# Altium PCB FIT_TDC_ADC.PcbDoc (part 6 of 10)
Units mm, origin at the board's own origin, x right, y up, seen from the top; angles counter-clockwise.
Board outline 89.38 x 69 mm, 8 copper layers (Top Layer, GND1, SIGNAL2, POWER3, POWER4, SIGNAL5, GND6, Bottom Layer), stack 1.028 mm thick; 495 components, 463 nets, 2013 pads, 1239 vias.
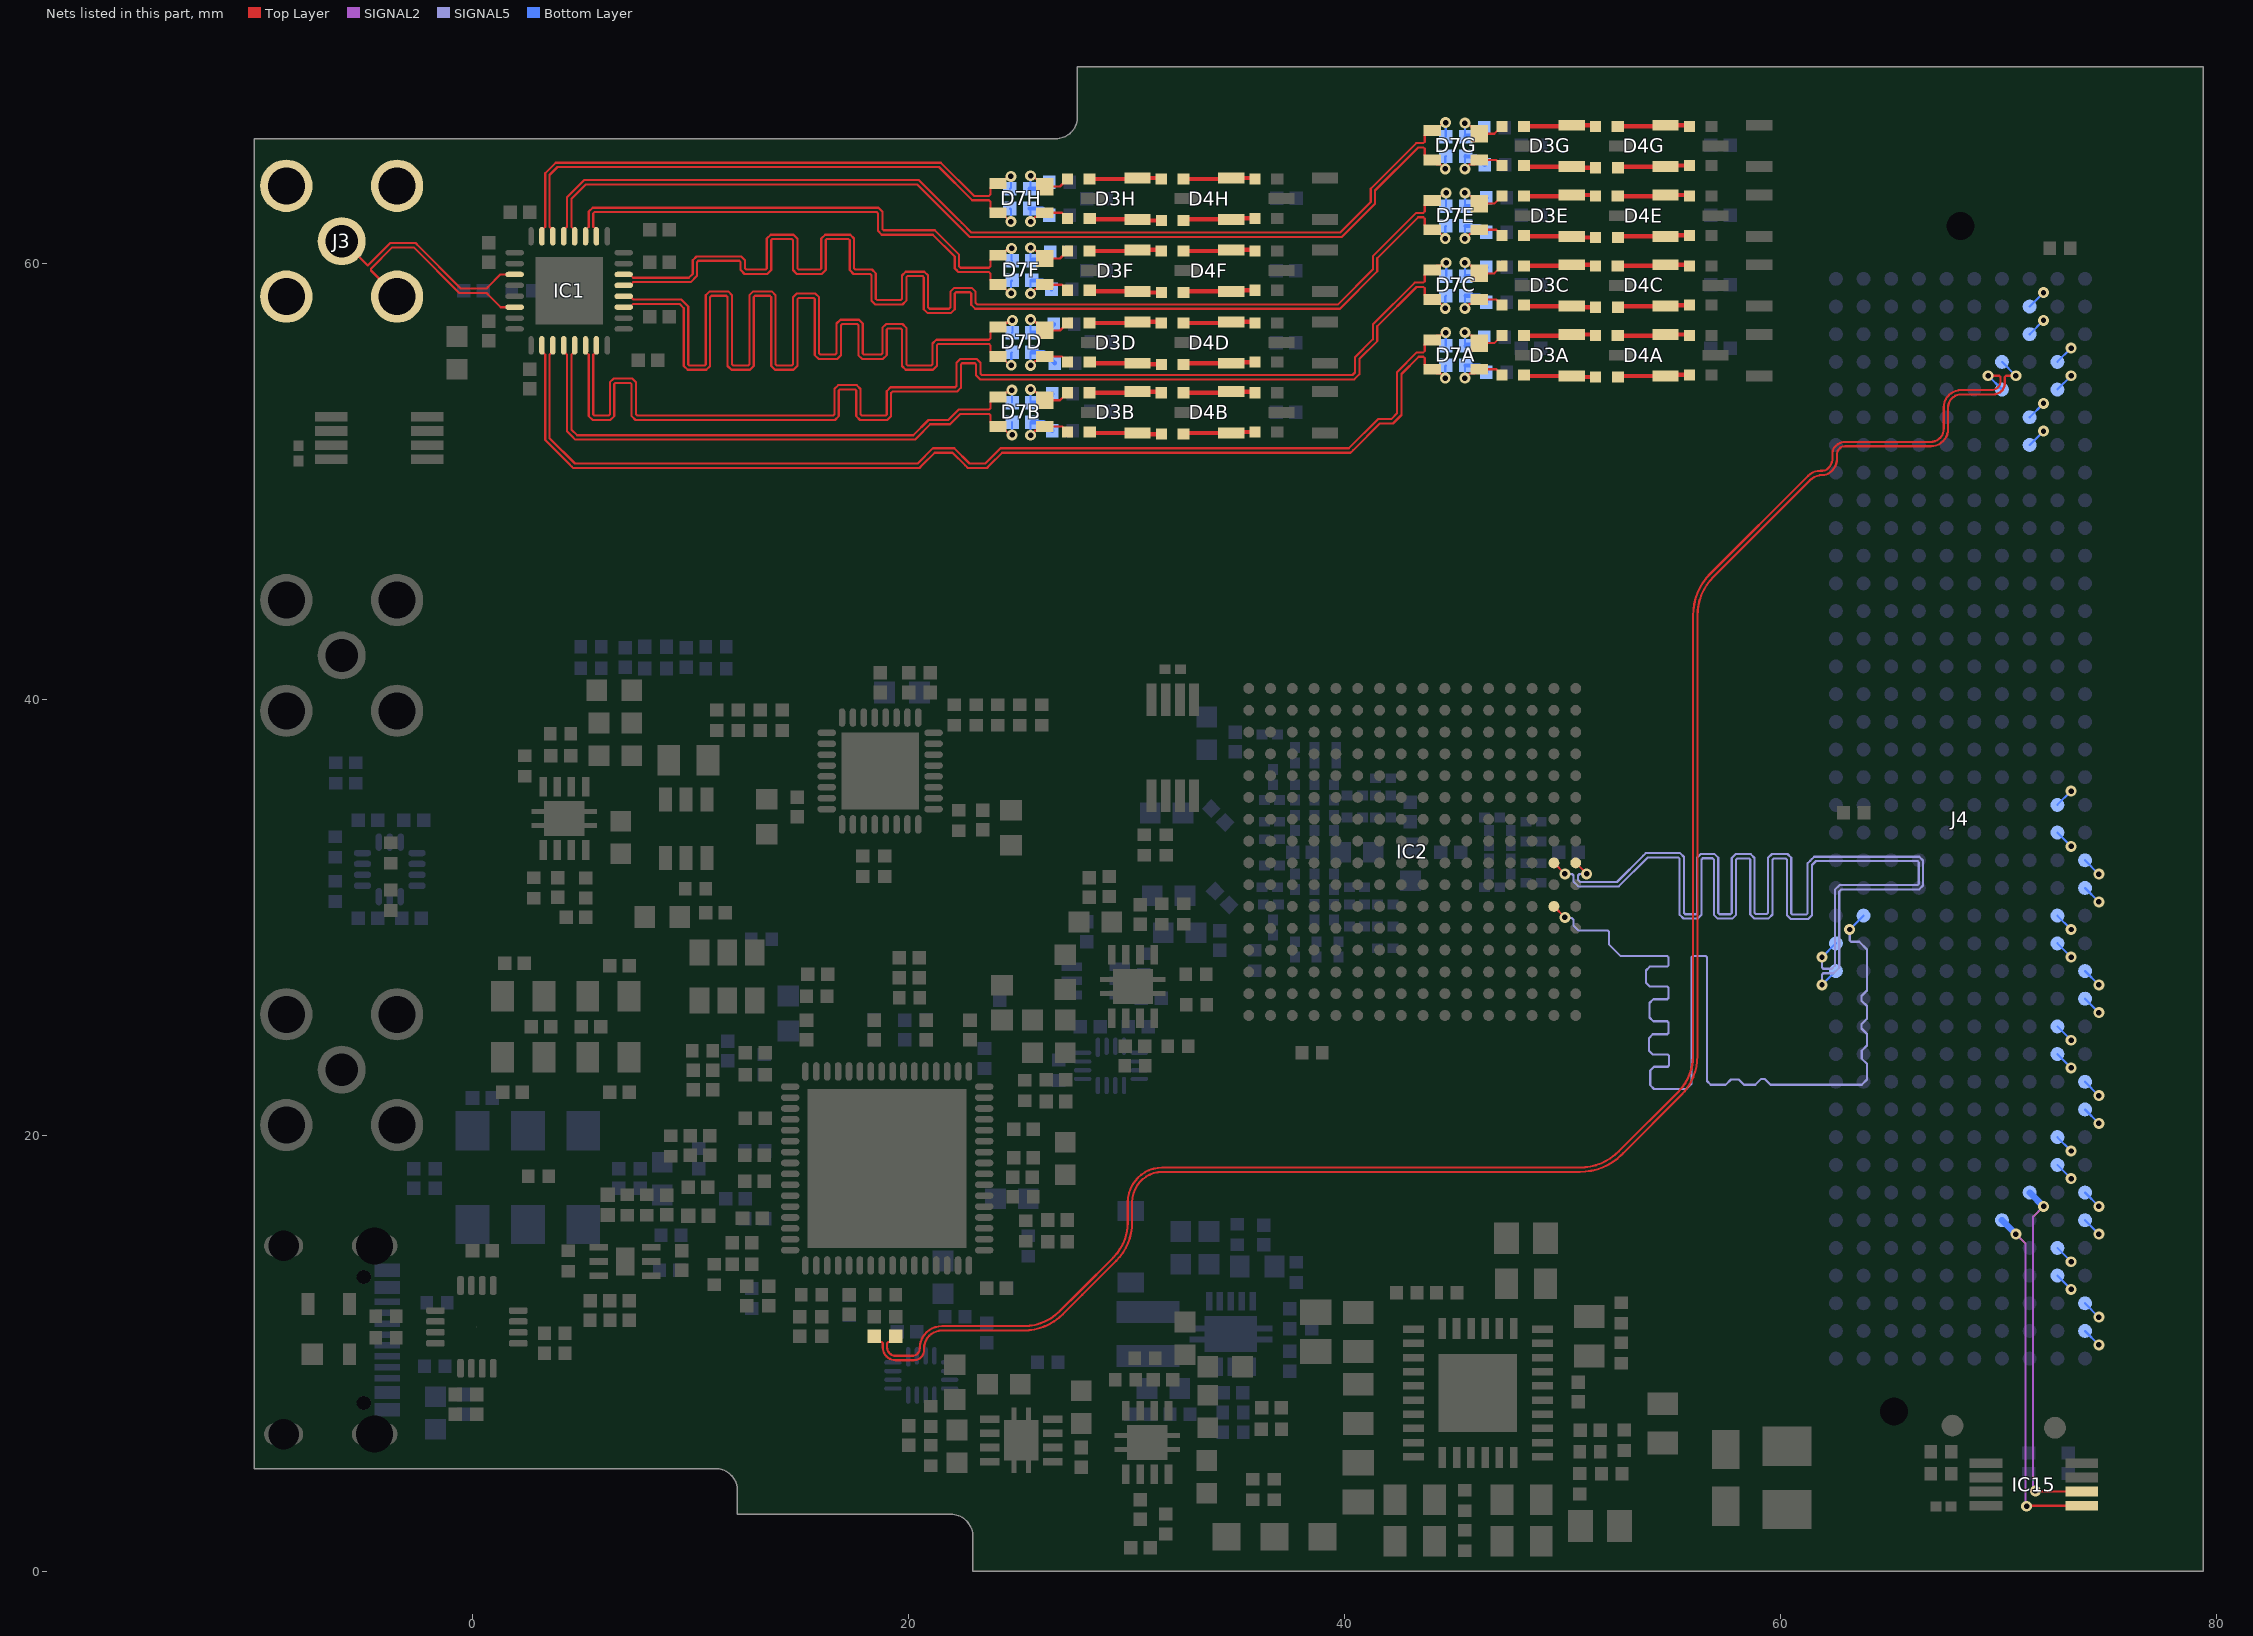
[diagram p12: the nets of this part, all layers, seen from the top]

## Via types
v1: diameter 0.5, hole 0.25, Top Layer to Bottom Layer, tented both sides, 1171 vias
v2: diameter 0.5, hole 0.25, Top Layer to Bottom Layer, tented bottom, 39 vias
v3: diameter 0.5, hole 0.25, Top Layer to Bottom Layer, 29 vias

## Nets (pads, with @x,y where several pads share a name; then routed paths per layer and width w, separated by ;. In a path a pad name is that pad's centre, name@x,y a point inside that pad or via, vN(x,y) a via of type N, cw(c..) or ccw(c..) an arc to the next point about the centre after c; other vN are vias at no path point) (continued)
DD_D11_P: IC2.L15 J4.j24 | length 49.3
  Top Layer w0.1: IC2.L15@49.604,30.485 v1(50.104,29.985)
  SIGNAL5 w0.1: v1(50.104,29.985) 50.139,29.95 50.434,29.95 50.504,29.88 50.504,29.604 50.722,29.385 52.065,29.385 52.124,29.327 52.124,28.75 52.667,28.206 54.807,28.206 54.866,28.148 54.866,27.784 54.807,27.725 54.001,27.725 53.825,27.549 53.825,26.987 54.001,26.811 54.804,26.811 54.863,26.753 54.863,26.288 54.804,26.23 54.165,26.23 53.989,26.054 53.989,25.395 54.165,25.22 54.798,25.22 54.856,25.161 54.856,24.68 54.798,24.621 54.137,24.621 53.961,24.445 53.961,23.874 54.137,23.698 54.823,23.698 54.882,23.64 54.882,23.192 54.823,23.133 54.196,23.133 54.02,22.957 54.02,22.291 54.196,22.116 55.677,22.116 55.92,22.358 55.92,28.157 55.978,28.215 56.563,28.215 56.622,28.157 56.622,22.48 56.798,22.304 57.477,22.304 57.724,22.55 58.079,22.55 58.318,22.311 58.84,22.311 59.094,22.565 59.282,22.565 59.536,22.311 63.719,22.311 63.961,22.553 63.961,23.267 63.722,23.507 63.722,23.873 63.961,24.112 63.961,24.634 63.707,24.888 63.707,25.076 63.961,25.33 63.961,25.92 63.713,26.168 63.713,26.383 63.961,26.631 63.961,28.514 63.606,28.869 63.228,28.869 63.17,28.928 v1(63.17,29.429)
  Bottom Layer w0.1: v1(63.17,29.429) J4.j24@63.805,30.064
DD_STR_N: IC2.J16 J4.k26 | length 49.6
  Top Layer w0.1: IC2.J16@50.604,32.485 51.104,31.985 v1(51.104,31.976)
  SIGNAL5 w0.1: v1(51.104,31.976) 51.1,31.972 50.774,31.972 50.704,31.902 50.704,31.709 50.805,31.608 52.493,31.608 53.701,32.816 53.818,32.933 55.392,32.933 55.568,32.758 55.568,30.189 55.627,30.13 56.113,30.13 56.171,30.189 56.171,32.721 56.347,32.897 56.964,32.897 57.139,32.721 57.139,30.185 57.198,30.126 57.7,30.126 57.759,30.185 57.759,32.709 57.935,32.885 58.63,32.885 58.806,32.709 58.806,30.197 58.865,30.138 59.368,30.138 59.427,30.197 59.427,32.717 59.602,32.893 60.315,32.893 60.49,32.717 60.49,30.169 60.549,30.11 61.182,30.11 61.24,30.169 61.24,32.467 61.358,32.585 61.424,32.651 61.541,32.768 66.359,32.768 66.535,32.592 66.535,31.445 66.359,31.269 62.791,31.269 62.691,31.169 62.691,27.677 62.44,27.426 61.958,27.426 61.9,27.367 v1(61.9,26.889)
  Bottom Layer w0.1: v1(61.9,26.889) J4.k26@62.535,27.524
DD_STR_P: IC2.J15 J4.k25 | length 49.3
  Top Layer w0.1: IC2.J15@49.604,32.485 50.104,31.985 v1(50.104,31.976)
  SIGNAL5 w0.1: v1(50.104,31.976) 50.108,31.972 50.434,31.972 50.504,31.902 50.504,31.626 50.722,31.408 52.576,31.408 53.901,32.733 55.31,32.733 55.368,32.675 55.368,30.106 55.544,29.93 56.195,29.93 56.371,30.106 56.371,32.638 56.43,32.697 56.881,32.697 56.939,32.638 56.939,30.102 57.115,29.926 57.783,29.926 57.959,30.102 57.959,32.626 58.018,32.685 58.547,32.685 58.606,32.626 58.606,30.114 58.782,29.938 59.451,29.938 59.627,30.114 59.627,32.634 59.685,32.693 60.232,32.693 60.29,32.634 60.29,30.086 60.466,29.91 61.265,29.91 61.44,30.086 61.44,32.385 61.624,32.568 66.276,32.568 66.335,32.509 66.335,31.528 66.276,31.469 62.708,31.469 62.491,31.252 62.491,27.76 62.357,27.626 61.958,27.626 61.9,27.684 v1(61.9,28.159)
  Bottom Layer w0.1: v1(61.9,28.159) J4.k25@62.535,28.794
DIN_N: IC1.6 J3.2 | length 9.9
  Top Layer w0.1: J3.2@-3.46,58.46 -4.659,59.659 -4.659,59.741 -3.683,60.717 -2.7,60.717 -0.607,58.624 0.248,58.624 0.251,58.627 0.641,58.627 0.7,58.569 0.7,58.564 1.289,57.974 IC1.6@1.935,57.974
DIN_P: IC1.3 J3.1 | length 10
  Top Layer w0.1: J3.1@-6,61 -5.917,61 -4.8,59.883 -3.766,60.917 -2.617,60.917 -2.559,60.859 -0.524,58.824 0.166,58.824 0.169,58.827 0.641,58.827 0.7,58.886 0.7,58.895 1.279,59.474 IC1.3@1.935,59.474
DL_CH_N1: C190A.1 D7A.4 IC1.10 | length 51.2
  Top Layer w0.1: IC1.10@3.185,56.224 3.185,55.941 3.335,55.791 3.335,51.882 3.452,51.765 4.4,50.817 4.559,50.659 4.617,50.6 20.5,50.6 20.617,50.717 21.2,51.3 22.017,51.3 22.6,50.717 22.717,50.6 23.6,50.6 23.717,50.717 24.3,51.3 40.277,51.3 40.394,51.417 41.616,52.639 42.222,52.639 42.608,53.025 42.608,54.908 43.4,55.7 43.616,55.7 43.675,55.641 43.675,55.325 43.875,55.125 D7A.4@44.025,55.125 44.225,54.925 44.414,54.925 v1(44.62,54.719)
  Bottom Layer w0.1: v1(44.62,54.719) 44.62,55.27 C190A.1@44.65,55.3
DL_CH_N2: C190B.1 D7B.4 IC1.12 | length 26.2
  Top Layer w0.1: IC1.12@4.185,56.224 4.185,55.941 4.335,55.791 4.335,52.282 4.452,52.165 4.6,52.017 4.717,51.9 20.3,51.9 20.417,52.017 21,52.6 21.902,52.6 22.383,53.081 23.697,53.081 23.755,53.022 23.755,52.706 23.955,52.506 D7B.4@24.105,52.506 24.255,52.506 24.645,52.116 v1(24.749,52.116)
  Bottom Layer w0.1: v1(24.749,52.116) C190B.1@24.749,52.699
DL_CH_N3: C190C.1 D7C.4 IC1.14 | length 55
  Top Layer w0.1: IC1.14@5.185,56.224 5.185,55.941 5.335,55.791 5.335,52.976 5.511,52.8 6.324,52.8 6.5,52.976 6.5,54.441 6.559,54.5 7.241,54.5 7.3,54.441 7.3,52.976 7.476,52.8 16.624,52.8 16.8,52.976 16.8,54.141 16.859,54.2 17.541,54.2 17.6,54.141 17.6,52.976 17.776,52.8 19.024,52.8 19.2,52.976 19.2,54.041 19.259,54.1 22.224,54.1 22.4,54.276 22.4,55.341 22.459,55.4 23.041,55.4 23.1,55.341 23.1,54.837 23.276,54.662 40.445,54.662 40.681,54.898 40.681,55.598 41.5,56.417 41.5,57.1 43.3,58.9 43.616,58.9 43.675,58.841 43.675,58.525 43.875,58.325 D7C.4@44.025,58.325 44.225,58.125 44.414,58.125 v1(44.62,57.919)
  Bottom Layer w0.1: v1(44.62,57.919) 44.62,58.47 C190C.1@44.65,58.5
DL_CH_N4: C190D.1 D7D.4 IC1.19 | length 47.7
  Top Layer w0.1: IC1.19@6.935,57.974 7.218,57.974 7.368,58.124 9.493,58.124 9.693,57.924 9.693,55.276 9.869,55.1 10.724,55.1 10.9,55.276 10.9,58.441 10.959,58.5 11.641,58.5 11.7,58.441 11.7,55.276 11.876,55.1 12.724,55.1 12.9,55.276 12.9,58.441 12.959,58.5 13.641,58.5 13.7,58.441 13.7,55.276 13.876,55.1 14.724,55.1 14.9,55.276 14.9,58.341 14.959,58.4 15.641,58.4 15.7,58.341 15.7,55.776 15.876,55.6 16.724,55.6 16.9,55.776 16.9,57.141 16.959,57.2 17.641,57.2 17.7,57.141 17.7,55.776 17.876,55.6 18.824,55.6 19,55.776 19,56.941 19.059,57 19.641,57 19.7,56.941 19.7,55.276 19.876,55.1 21.124,55.1 21.3,55.276 21.3,56.222 21.359,56.281 22.583,56.281 23.697,56.281 23.755,56.222 23.755,55.906 23.955,55.706 D7D.4@24.105,55.706 24.255,55.706 24.649,55.312 v1(24.713,55.312)
  Bottom Layer w0.1: v1(24.713,55.312) 24.713,55.863 C190D.1@24.75,55.9
DL_CH_N5: C190E.1 D7E.4 IC1.21 | length 53.5
  Top Layer w0.1: IC1.21@6.935,58.974 7.218,58.974 7.368,59.124 10.007,59.124 10.3,59.417 10.3,60.041 10.359,60.1 12.241,60.1 12.3,60.041 12.3,59.676 12.476,59.5 13.524,59.5 13.7,59.676 13.7,61.041 13.759,61.1 14.641,61.1 14.7,61.041 14.7,59.676 14.876,59.5 16.024,59.5 16.2,59.676 16.2,61.041 16.259,61.1 17.241,61.1 17.3,61.041 17.3,59.676 17.476,59.5 18.241,59.5 18.3,59.441 18.3,58.276 18.476,58.1 19.724,58.1 19.9,58.276 19.9,59.341 19.959,59.4 20.641,59.4 20.7,59.341 20.7,57.876 20.876,57.7 21.943,57.7 22.119,57.876 22.119,58.6 22.178,58.658 22.819,58.658 22.878,58.6 22.878,58.079 23.054,57.904 39.787,57.904 41.5,59.617 41.5,60.225 43.375,62.1 43.616,62.1 43.675,62.041 43.675,61.725 43.875,61.525 D7E.4@44.025,61.525 44.225,61.325 44.414,61.325 v1(44.62,61.119)
  Bottom Layer w0.1: v1(44.62,61.119) 44.62,61.67 C190E.1@44.65,61.7
DL_CH_N6: C190F.1 D7F.4 IC1.26 | length 23.4
  Top Layer w0.1: IC1.26@5.685,61.224 5.685,61.508 5.535,61.658 5.535,62.276 5.593,62.335 18.541,62.335 18.6,62.276 18.6,61.476 18.776,61.3 21.117,61.3 22.119,60.298 22.119,59.756 22.178,59.698 ; 22.178,59.698 22.295,59.581 23.697,59.581 23.755,59.522 23.755,59.206 23.955,59.006 D7F.4@24.105,59.006 24.255,59.006 24.647,58.614 v1(24.704,58.614)
  Bottom Layer w0.1: v1(24.704,58.614) 24.704,59.154 C190F.1@24.75,59.2
DL_CH_N7: C190G.1 D7G.4 IC1.28 | length 46.4
  Top Layer w0.1: IC1.28@4.685,61.224 4.685,61.508 4.535,61.658 4.535,62.935 5.2,63.6 20.4,63.6 22.1,61.9 22.8,61.2 39.883,61.2 41.4,62.717 41.4,63.325 43.375,65.3 43.616,65.3 43.675,65.241 43.675,64.925 43.875,64.725 D7G.4@44.025,64.725 44.225,64.525 44.414,64.525 v1(44.62,64.319)
  Bottom Layer w0.1: v1(44.62,64.319) 44.62,64.87 C190G.1@44.65,64.9
DL_CH_N8: C190H.1 D7H.4 IC1.30 | length 26
  Top Layer w0.1: IC1.30@3.685,61.224 3.685,61.508 3.535,61.658 3.535,64.035 3.9,64.4 21.398,64.4 22.917,62.881 23.395,62.881 23.697,62.881 23.755,62.822 23.755,62.506 23.955,62.306 D7H.4@24.105,62.306 24.255,62.306 24.663,61.898 v1(24.698,61.898)
  Bottom Layer w0.1: C190H.1@24.65,62.5 24.698,62.452 v1(24.698,61.898)
DL_CH_P1: C191A.1 D7A.3 IC1.11 | length 50.9
  Top Layer w0.1: IC1.11@3.685,56.224 3.685,55.941 3.535,55.791 3.535,51.965 4.7,50.8 20.417,50.8 21.117,51.5 22.1,51.5 22.8,50.8 23.517,50.8 24.217,51.5 40.194,51.5 41.533,52.839 42.139,52.839 42.408,53.108 42.408,54.991 43.317,55.9 43.616,55.9 43.675,55.959 43.675,56.275 43.875,56.475 D7A.3@44.025,56.475 44.225,56.675 44.398,56.675 44.533,56.809 v1(44.641,56.809)
  Bottom Layer w0.1: v1(44.641,56.809) 44.641,56.209 C191A.1@44.65,56.2
DL_CH_P2: C191B.1 D7B.3 IC1.13 | length 25.7
  Top Layer w0.1: IC1.13@4.685,56.224 4.685,55.941 4.535,55.791 4.535,52.365 4.8,52.1 20.217,52.1 20.917,52.8 21.819,52.8 22.3,53.281 23.697,53.281 23.755,53.339 23.755,53.656 23.955,53.856 D7B.3@24.105,53.856 ; D7B.3@24.255,53.856 24.455,54.056 24.516,54.056 24.632,54.172 v1(24.74,54.172)
  Bottom Layer w0.1: v1(24.74,54.172) 24.74,53.61 C191B.1@24.75,53.6
DL_CH_P3: C191C.1 D7C.3 IC1.15 | length 54.7
  Top Layer w0.1: IC1.15@5.685,56.224 5.685,55.941 5.535,55.791 5.535,53.059 5.593,53 6.241,53 6.3,53.059 6.3,54.524 6.476,54.7 7.324,54.7 7.5,54.524 7.5,53.059 7.559,53 16.541,53 16.6,53.059 16.6,54.224 16.776,54.4 17.624,54.4 17.8,54.224 17.8,53.059 17.859,53 18.941,53 19,53.059 19,54.124 19.176,54.3 22.141,54.3 22.2,54.359 22.2,55.424 22.376,55.6 23.124,55.6 23.3,55.424 23.3,54.92 23.359,54.862 40.362,54.862 40.481,54.981 40.481,55.681 41.3,56.5 41.3,57.183 43.217,59.1 43.616,59.1 43.675,59.159 43.675,59.475 43.875,59.675 D7C.3@44.025,59.675 44.225,59.875 44.416,59.875 44.553,60.012 v1(44.661,60.012)
  Bottom Layer w0.1: C191C.1@44.65,59.4 44.661,59.411 v1(44.661,60.012)
DL_CH_P4: C191D.1 D7D.3 IC1.20 | length 47.5
  Top Layer w0.1: IC1.20@6.935,58.474 7.218,58.474 7.368,58.324 9.576,58.324 9.893,58.007 9.893,55.359 9.951,55.3 10.641,55.3 10.7,55.359 10.7,58.524 10.876,58.7 11.724,58.7 11.9,58.524 11.9,55.359 11.959,55.3 12.641,55.3 12.7,55.359 12.7,58.524 12.876,58.7 13.724,58.7 13.9,58.524 13.9,55.359 13.959,55.3 14.641,55.3 14.7,55.359 14.7,58.424 14.876,58.6 15.724,58.6 15.9,58.424 15.9,55.859 15.959,55.8 16.641,55.8 16.7,55.859 16.7,57.224 16.876,57.4 17.724,57.4 17.9,57.224 17.9,55.859 17.959,55.8 18.741,55.8 18.8,55.859 18.8,57.024 18.976,57.2 19.724,57.2 19.9,57.024 19.9,55.359 19.959,55.3 21.041,55.3 21.1,55.359 21.1,56.305 21.276,56.481 23.697,56.481 23.755,56.539 23.755,56.856 23.955,57.056 D7D.3@24.105,57.056 ; D7D.3@24.255,57.056 24.455,57.256 24.54,57.256 24.655,57.371 v1(24.764,57.371)
  Bottom Layer w0.1: C191D.1@24.75,56.8 24.764,56.814 v1(24.764,57.371)
DL_CH_P5: C191E.1 D7E.3 IC1.22 | length 53.6
  Top Layer w0.1: IC1.22@6.935,59.474 7.218,59.474 7.368,59.324 9.924,59.324 10.1,59.5 10.1,60.124 10.276,60.3 12.324,60.3 12.5,60.124 12.5,59.759 12.559,59.7 13.441,59.7 13.5,59.759 13.5,61.124 13.676,61.3 14.724,61.3 14.9,61.124 14.9,59.759 14.959,59.7 15.941,59.7 16,59.759 16,61.124 16.176,61.3 17.324,61.3 17.5,61.124 17.5,59.759 17.559,59.7 18.324,59.7 18.5,59.524 18.5,58.359 18.559,58.3 19.641,58.3 19.7,58.359 19.7,59.424 19.876,59.6 20.724,59.6 20.9,59.424 20.9,57.959 20.959,57.9 21.86,57.9 21.919,57.959 21.919,58.683 22.095,58.858 22.902,58.858 23.078,58.683 23.078,58.162 23.137,58.104 39.704,58.104 41.3,59.7 41.3,60.308 43.292,62.3 43.616,62.3 43.675,62.359 43.675,62.675 43.875,62.875 D7E.3@44.025,62.875 44.225,63.075 44.408,63.075 44.551,63.218 v1(44.659,63.218)
  Bottom Layer w0.1: C191E.1@44.65,62.6 44.659,62.609 v1(44.659,63.218)
DL_CH_P6: C191F.1 D7F.3 IC1.27 | length 23.6
  Top Layer w0.1: IC1.27@5.185,61.224 5.185,61.508 5.335,61.658 5.335,62.359 5.511,62.535 18.624,62.535 18.8,62.359 18.8,61.559 18.859,61.5 21.2,61.5 22.319,60.381 22.319,59.839 22.378,59.781 23.697,59.781 23.755,59.839 23.755,60.156 23.955,60.356 D7F.3@24.105,60.356 ; D7F.3@24.255,60.356 24.494,60.595 24.648,60.595 v1(24.725,60.671)
  Bottom Layer w0.1: v1(24.725,60.671) 24.725,60.125 C191F.1@24.75,60.1
DL_CH_P7: C191G.1 D7G.3 IC1.29 | length 46.8
  Top Layer w0.1: IC1.29@4.185,61.224 4.185,61.508 4.335,61.658 4.335,63.018 5.117,63.8 20.483,63.8 22.241,62.041 22.441,61.841 22.883,61.4 39.8,61.4 41.2,62.8 41.2,63.408 43.292,65.5 43.616,65.5 43.675,65.559 43.675,65.875 43.875,66.075 D7G.3@44.025,66.075 44.225,66.275 44.38,66.275 44.546,66.441 v1(44.638,66.441)
  Bottom Layer w0.1: v1(44.638,66.441) 44.638,65.812 C191G.1@44.65,65.8
DL_CH_P8: C191H.1 D7H.3 IC1.31 | length 26.3
  Top Layer w0.1: IC1.31@3.185,61.224 3.185,61.508 3.335,61.658 3.335,64.118 3.817,64.6 21.481,64.6 23,63.081 23.478,63.081 23.697,63.081 23.755,63.139 23.755,63.456 23.955,63.656 D7H.3@24.105,63.656 24.305,63.856 24.473,63.856 24.587,63.97 v1(24.695,63.97)
  Bottom Layer w0.1: C191H.1@24.65,63.4 24.695,63.445 v1(24.695,63.97)
DL_DA_N: C190A.2 D7A.1 L20A.1 R42A.2 | length 3.7
  Top Layer w0.1: v1(45.52,54.719) 45.528,54.719 45.734,54.925 45.975,54.925 D7A.1@46.175,55.125 46.964,55.125 L20A.1@47.22,54.869
  Bottom Layer w0.1: v1(45.52,54.719) 45.52,55.27 C190A.2@45.55,55.3
  Bottom Layer w0.2: C190A.2@45.55,55.3 46.193,55.3 46.283,55.21 46.31,55.21 46.5,55.02 R42A.2@46.5,55
DL_DA_P: C191A.2 D7A.2 L23A.1 R47A.2 | length 3.7
  Top Layer w0.1: v1(45.52,56.819) 45.628,56.819 45.772,56.675 45.825,56.675 D7A.2@46.175,56.325 46.867,56.325 L23A.1@47.212,56.669
  Bottom Layer w0.1: v1(45.52,56.819) 45.52,56.23 C191A.2@45.55,56.2
  Bottom Layer w0.2: C191A.2@45.55,56.2 45.593,56.243 46.043,56.243 46.19,56.39 46.21,56.39 46.4,56.58 R47A.2@46.4,56.6
DL_DB_N: C190B.2 D7B.1 L20B.1 R42B.2 | length 3.7
  Top Layer w0.1: v1(25.6,52.1) 25.608,52.1 25.814,52.306 26.055,52.306 D7B.1@26.255,52.506 27.044,52.506 L20B.1@27.3,52.25
  Bottom Layer w0.1: v1(25.6,52.1) 25.6,52.65 C190B.2@25.65,52.7
  Bottom Layer w0.2: C190B.2@25.65,52.7 26.2,52.7 26.39,52.51 26.41,52.51 26.6,52.32 R42B.2@26.6,52.3
DL_DB_P: C191B.2 D7B.2 L23B.1 R47B.2 | length 3.8
  Top Layer w0.1: v1(25.6,54.2) 25.708,54.2 25.853,54.056 25.905,54.056 D7B.2@26.255,53.706 26.948,53.706 L23B.1@27.292,54.05
  Bottom Layer w0.1: v1(25.6,54.2) 25.6,53.65 C191B.2@25.65,53.6
  Bottom Layer w0.2: C191B.2@25.65,53.6 26.2,53.6 26.39,53.79 26.41,53.79 26.6,53.98 R47B.2@26.6,54
DL_DC_N: C190C.2 D7C.1 L20C.1 R42C.2 | length 3.7
  Top Layer w0.1: v1(45.52,57.919) 45.528,57.919 45.734,58.125 45.975,58.125 D7C.1@46.175,58.325 46.964,58.325 L20C.1@47.22,58.069
  Bottom Layer w0.1: v1(45.52,57.919) 45.52,58.47 C190C.2@45.55,58.5
  Bottom Layer w0.2: C190C.2@45.55,58.5 46.193,58.5 46.283,58.41 46.31,58.41 46.5,58.22 R42C.2@46.5,58.2
DL_DC_P: C191C.2 D7C.2 L23C.1 R47C.2 | length 3.8
  Top Layer w0.1: v1(45.52,60.019) 45.628,60.019 45.772,59.875 45.825,59.875 D7C.2@46.175,59.525 46.867,59.525 L23C.1@47.212,59.869
  Bottom Layer w0.1: v1(45.52,60.019) 45.52,59.43 C191C.2@45.55,59.4
  Bottom Layer w0.2: C191C.2@45.55,59.4 46.1,59.4 46.29,59.59 46.31,59.59 46.5,59.78 R47C.2@46.5,59.8
DL_DD_N: C190D.2 D7D.1 L20D.1 R42D.2 | length 3.9
  Top Layer w0.1: v1(25.6,55.3) 25.608,55.3 25.814,55.506 26.055,55.506 D7D.1@26.255,55.706 27.044,55.706 L20D.1@27.3,55.45
  Bottom Layer w0.1: v1(25.6,55.3) 25.6,55.85 C190D.2@25.65,55.9
  Bottom Layer w0.2: C190D.2@25.65,55.9 26.2,55.9 26.49,55.61 26.51,55.61 26.7,55.42 R42D.2@26.7,55.4
DL_DD_P: C191D.2 D7D.2 L23D.1 R47D.2 | length 3.8
  Top Layer w0.1: v1(25.6,57.4) 25.708,57.4 25.853,57.256 25.905,57.256 D7D.2@26.255,56.906 26.948,56.906 L23D.1@27.292,57.25
  Bottom Layer w0.1: v1(25.6,57.4) 25.6,56.85 C191D.2@25.65,56.8
  Bottom Layer w0.2: C191D.2@25.65,56.8 26.26,56.8 26.45,56.99 26.47,56.99 26.66,57.18 R47D.2@26.66,57.2
DL_DE_N: C190E.2 D7E.1 L20E.1 R42E.2 | length 3.7
  Top Layer w0.1: v1(45.52,61.119) 45.528,61.119 45.734,61.325 45.975,61.325 D7E.1@46.175,61.525 46.964,61.525 L20E.1@47.22,61.269
  Bottom Layer w0.1: v1(45.52,61.119) 45.52,61.67 C190E.2@45.55,61.7
  Bottom Layer w0.2: C190E.2@45.55,61.7 46.193,61.7 46.283,61.61 46.31,61.61 46.5,61.42 R42E.2@46.5,61.4
DL_DE_P: C191E.2 D7E.2 L23E.1 R47E.2 | length 3.8
  Top Layer w0.1: v1(45.52,63.219) 45.628,63.219 45.772,63.075 45.825,63.075 D7E.2@46.175,62.725 46.867,62.725 L23E.1@47.212,63.069
  Bottom Layer w0.1: v1(45.52,63.219) 45.52,62.63 C191E.2@45.55,62.6
  Bottom Layer w0.2: C191E.2@45.55,62.6 46.1,62.6 46.29,62.79 46.31,62.79 46.5,62.98 R47E.2@46.5,63
DL_DF_N: C190F.2 D7F.1 L20F.1 R42F.2 | length 3.7
  Top Layer w0.1: v1(25.6,58.6) 25.608,58.6 25.814,58.806 26.055,58.806 D7F.1@26.255,59.006 27.044,59.006 L20F.1@27.3,58.75
  Bottom Layer w0.1: v1(25.6,58.6) 25.6,59.15 C190F.2@25.65,59.2
  Bottom Layer w0.2: C190F.2@25.65,59.2 26.16,59.2 26.35,59.01 26.37,59.01 26.56,58.82 R42F.2@26.56,58.8
DL_DF_P: C191F.2 D7F.2 L23F.1 R47F.2 | length 3.7
  Top Layer w0.1: v1(25.6,60.7) 25.708,60.7 25.853,60.556 25.905,60.556 D7F.2@26.255,60.206 26.948,60.206 L23F.1@27.292,60.55
  Bottom Layer w0.1: v1(25.6,60.7) 25.6,60.15 C191F.2@25.65,60.1
  Bottom Layer w0.2: C191F.2@25.65,60.1 25.693,60.143 26.143,60.143 26.29,60.29 26.31,60.29 26.5,60.48 R47F.2@26.5,60.5
DL_DG_N: C190G.2 D7G.1 L20G.1 R42G.2 | length 3.6
  Top Layer w0.1: v1(45.52,64.319) 45.528,64.319 45.734,64.525 45.975,64.525 D7G.1@46.175,64.725 46.964,64.725 L20G.1@47.22,64.469
  Bottom Layer w0.1: v1(45.52,64.319) 45.52,64.87 C190G.2@45.55,64.9
  Bottom Layer w0.2: C190G.2@45.55,64.9 45.563,64.887 46.043,64.887 46.22,64.71 46.24,64.71 46.43,64.52 R42G.2@46.43,64.5
DL_DG_P: C191G.2 D7G.2 L23G.1 R47G.2 | length 3.7
  Top Layer w0.1: v1(45.52,66.419) 45.628,66.419 45.772,66.275 45.825,66.275 D7G.2@46.175,65.925 46.867,65.925 L23G.1@47.212,66.269
  Bottom Layer w0.1: v1(45.52,66.419) 45.52,65.83 C191G.2@45.55,65.8
  Bottom Layer w0.2: C191G.2@45.55,65.8 45.593,65.843 46.043,65.843 46.19,65.99 46.21,65.99 46.4,66.18 R47G.2@46.4,66.2
DL_DH_N: C190H.2 D7H.1 L20H.1 R42H.2 | length 3.6
  Top Layer w0.1: v1(25.6,61.9) 25.608,61.9 25.814,62.106 26.055,62.106 D7H.1@26.255,62.306 27.044,62.306 L20H.1@27.3,62.05
  Bottom Layer w0.1: C190H.2@25.55,62.5 25.6,62.45 v1(25.6,61.9)
  Bottom Layer w0.2: C190H.2@25.55,62.5 26.16,62.5 26.25,62.41 26.27,62.41 26.46,62.22 R42H.2@26.46,62.2
DL_DH_P: C191H.2 D7H.2 L23H.1 R47H.2 | length 3.7
  Top Layer w0.1: v1(25.6,64) 25.708,64 25.853,63.856 25.905,63.856 D7H.2@26.255,63.506 26.948,63.506 L23H.1@27.292,63.85
  Bottom Layer w0.1: C191H.2@25.55,63.4 25.6,63.45 v1(25.6,64)
  Bottom Layer w0.2: C191H.2@25.55,63.4 26.16,63.4 26.25,63.49 26.27,63.49 26.46,63.68 R47H.2@26.46,63.7
DL_LA_N: D3A.1 L20A.2 L21A.1 | length 3.3
  Top Layer w0.2: L20A.2@48.236,54.869 48.286,54.819 D3A.1@50.42,54.819 50.47,54.769 L21A.1@51.52,54.769
DL_LA_P: D3A.2 L23A.2 L24A.1 | length 3.3
  Top Layer w0.2: L23A.2@48.228,56.669 50.37,56.669 D3A.2@50.42,56.719 51.462,56.719 L24A.1@51.512,56.669
DL_LB_N: D3B.1 L20B.2 L21B.1 | length 3.3
  Top Layer w0.2: L20B.2@28.316,52.25 28.366,52.2 D3B.1@30.5,52.2 30.55,52.15 L21B.1@31.6,52.15
DL_LB_P: D3B.2 L23B.2 L24B.1 | length 3.3
  Top Layer w0.2: L23B.2@28.308,54.05 30.45,54.05 D3B.2@30.5,54.1 31.542,54.1 L24B.1@31.592,54.05
DL_LC_N: D3C.1 L20C.2 L21C.1 | length 3.3
  Top Layer w0.2: L20C.2@48.236,58.069 48.286,58.019 D3C.1@50.42,58.019 50.47,57.969 L21C.1@51.52,57.969
DL_LC_P: D3C.2 L23C.2 L24C.1 | length 3.3
  Top Layer w0.2: L23C.2@48.228,59.869 50.37,59.869 D3C.2@50.42,59.919 51.462,59.919 L24C.1@51.512,59.869
DL_LD_N: D3D.1 L20D.2 L21D.1 | length 3.3
  Top Layer w0.2: L20D.2@28.316,55.45 28.366,55.4 D3D.1@30.5,55.4 30.55,55.35 L21D.1@31.6,55.35
DL_LD_P: D3D.2 L23D.2 L24D.1 | length 3.3
  Top Layer w0.2: L23D.2@28.308,57.25 30.45,57.25 D3D.2@30.5,57.3 31.542,57.3 L24D.1@31.592,57.25
DL_LE_N: D3E.1 L20E.2 L21E.1 | length 3.3
  Top Layer w0.2: L20E.2@48.236,61.269 48.286,61.219 D3E.1@50.42,61.219 50.47,61.169 L21E.1@51.52,61.169
DL_LE_P: D3E.2 L23E.2 L24E.1 | length 3.3
  Top Layer w0.2: L23E.2@48.228,63.069 50.37,63.069 D3E.2@50.42,63.119 51.462,63.119 L24E.1@51.512,63.069
DL_LF_N: D3F.1 L20F.2 L21F.1 | length 3.3
  Top Layer w0.2: L20F.2@28.316,58.75 28.366,58.7 D3F.1@30.5,58.7 30.55,58.65 L21F.1@31.6,58.65
DL_LF_P: D3F.2 L23F.2 L24F.1 | length 3.3
  Top Layer w0.2: L23F.2@28.308,60.55 30.45,60.55 D3F.2@30.5,60.6 31.542,60.6 L24F.1@31.592,60.55
DL_LG_N: D3G.1 L20G.2 L21G.1 | length 3.3
  Top Layer w0.2: L20G.2@48.236,64.469 48.286,64.419 D3G.1@50.42,64.419 50.47,64.369 L21G.1@51.52,64.369
DL_LG_P: D3G.2 L23G.2 L24G.1 | length 3.3
  Top Layer w0.2: L23G.2@48.228,66.269 50.37,66.269 D3G.2@50.42,66.319 51.462,66.319 L24G.1@51.512,66.269
DL_LH_N: D3H.1 L20H.2 L21H.1 | length 3.3
  Top Layer w0.2: L20H.2@28.316,62.05 28.366,62 D3H.1@30.5,62 30.55,61.95 L21H.1@31.6,61.95
DL_LH_P: D3H.2 L23H.2 L24H.1 | length 3.3
  Top Layer w0.2: L23H.2@28.308,63.85 30.45,63.85 D3H.2@30.5,63.9 31.542,63.9 L24H.1@31.592,63.85
DL_LLA_N: D4A.1 L21A.2 L22A.1 | length 3.3
  Top Layer w0.2: L21A.2@52.536,54.769 52.586,54.819 D4A.1@54.72,54.819 54.77,54.869 L22A.1@55.82,54.869
DL_LLA_P: D4A.2 L24A.2 L25A.1 | length 3.3
  Top Layer w0.2: L24A.2@52.528,56.669 54.67,56.669 D4A.2@54.72,56.719 55.77,56.719 L25A.1@55.82,56.669
DL_LLB_N: D4B.1 L21B.2 L22B.1 | length 3.3
  Top Layer w0.2: L21B.2@32.616,52.15 32.666,52.2 D4B.1@34.8,52.2 34.85,52.25 L22B.1@35.9,52.25
DL_LLB_P: D4B.2 L24B.2 L25B.1 | length 3.3
  Top Layer w0.2: L24B.2@32.608,54.05 34.75,54.05 D4B.2@34.8,54.1 35.85,54.1 L25B.1@35.9,54.05
DL_LLC_N: D4C.1 L21C.2 L22C.1 | length 3.3
  Top Layer w0.2: L21C.2@52.536,57.969 52.586,58.019 D4C.1@54.72,58.019 54.77,58.069 L22C.1@55.82,58.069
DL_LLC_P: D4C.2 L24C.2 L25C.1 | length 3.3
  Top Layer w0.2: L24C.2@52.528,59.869 54.67,59.869 D4C.2@54.72,59.919 55.77,59.919 L25C.1@55.82,59.869
DL_LLD_N: D4D.1 L21D.2 L22D.1 | length 3.3
  Top Layer w0.2: L21D.2@32.616,55.35 32.666,55.4 D4D.1@34.8,55.4 34.85,55.45 L22D.1@35.9,55.45
DL_LLD_P: D4D.2 L24D.2 L25D.1 | length 3.3
  Top Layer w0.2: L24D.2@32.608,57.25 34.75,57.25 D4D.2@34.8,57.3 35.85,57.3 L25D.1@35.9,57.25
DL_LLE_N: D4E.1 L21E.2 L22E.1 | length 3.3
  Top Layer w0.2: L21E.2@52.536,61.169 52.586,61.219 D4E.1@54.72,61.219 54.77,61.269 L22E.1@55.82,61.269
DL_LLE_P: D4E.2 L24E.2 L25E.1 | length 3.3
  Top Layer w0.2: L24E.2@52.528,63.069 54.67,63.069 D4E.2@54.72,63.119 55.77,63.119 L25E.1@55.82,63.069
DL_LLF_N: D4F.1 L21F.2 L22F.1 | length 3.3
  Top Layer w0.2: L21F.2@32.616,58.65 32.666,58.7 D4F.1@34.8,58.7 34.85,58.75 L22F.1@35.9,58.75
DL_LLF_P: D4F.2 L24F.2 L25F.1 | length 3.3
  Top Layer w0.2: L24F.2@32.608,60.55 34.75,60.55 D4F.2@34.8,60.6 35.85,60.6 L25F.1@35.9,60.55
DL_LLG_N: D4G.1 L21G.2 L22G.1 | length 3.3
  Top Layer w0.2: L21G.2@52.536,64.369 52.586,64.419 D4G.1@54.72,64.419 54.77,64.469 L22G.1@55.82,64.469
DL_LLG_P: D4G.2 L24G.2 L25G.1 | length 3.3
  Top Layer w0.2: L24G.2@52.528,66.269 54.67,66.269 D4G.2@54.72,66.319 55.77,66.319 L25G.1@55.82,66.269
DL_LLH_N: D4H.1 L21H.2 L22H.1 | length 3.3
  Top Layer w0.2: L21H.2@32.616,61.95 32.666,62 D4H.1@34.8,62 34.85,62.05 L22H.1@35.9,62.05
DL_LLH_P: D4H.2 L24H.2 L25H.1 | length 3.3
  Top Layer w0.2: L24H.2@32.608,63.85 34.75,63.85 D4H.2@34.8,63.9 35.85,63.9 L25H.1@35.9,63.85
DP0_C2M_N: J4.c3 | length 0.9
  Bottom Layer w0.1: J4.c3@71.425,56.734 v1(72.06,57.369)
DP0_C2M_P: J4.c2 | length 0.9
  Bottom Layer w0.1: J4.c2@71.425,58.004 v1(72.06,58.639)
DP0_M2C_N: J4.c7 | length 0.9
  Bottom Layer w0.1: J4.c7@71.425,51.654 v1(72.06,52.289)
DP0_M2C_P: J4.c6 | length 0.9
  Bottom Layer w0.1: J4.c6@71.425,52.924 v1(72.06,53.559)
DP1_C2M_N: J4.a23 | length 0.9
  Bottom Layer w0.1: J4.a23@73.965,31.334 v2(74.6,30.699)
DP1_C2M_P: J4.a22 | length 0.9
  Bottom Layer w0.1: J4.a22@73.965,32.604 v2(74.6,31.969)
DP2_C2M_N: J4.a27 | length 0.9
  Bottom Layer w0.1: J4.a27@73.965,26.254 v2(74.6,25.619)
DP2_C2M_P: J4.a26 | length 0.9
  Bottom Layer w0.1: J4.a26@73.965,27.524 v2(74.6,26.889)
DP3_C2M_N: J4.a31 | length 0.9
  Bottom Layer w0.1: J4.a31@73.965,21.174 v2(74.6,20.539)
DP3_C2M_P: J4.a30 | length 0.9
  Bottom Layer w0.1: J4.a30@73.965,22.444 v2(74.6,21.809)
DP4_C2M_N: J4.a35 | length 0.9
  Bottom Layer w0.1: J4.a35@73.965,16.094 v2(74.6,15.459)
DP4_C2M_P: J4.a34 | length 0.9
  Bottom Layer w0.1: J4.a34@73.965,17.364 v2(74.6,16.729)
DP5_C2M_N: J4.a39 | length 0.9
  Bottom Layer w0.1: J4.a39@73.965,11.014 v2(74.6,10.379)
DP5_C2M_P: J4.a38 | length 0.9
  Bottom Layer w0.1: J4.a38@73.965,12.284 v2(74.6,11.649)
DP6_C2M_N: J4.b37 | length 0.9
  Bottom Layer w0.1: J4.b37@72.695,13.554 v2(73.33,12.919)
DP6_C2M_P: J4.b36 | length 0.9
  Bottom Layer w0.1: J4.b36@72.695,14.824 v2(73.33,14.189)
DP7_C2M_N: J4.b33 | length 0.9
  Bottom Layer w0.1: J4.b33@72.695,18.634 v2(73.33,17.999)
DP7_C2M_P: J4.b32 | length 0.9
  Bottom Layer w0.1: J4.b32@72.695,19.904 v1(73.33,19.269)
DP8_C2M_N: J4.b29 | length 0.9
  Bottom Layer w0.1: J4.b29@72.695,23.714 v2(73.33,23.079)
DP8_C2M_P: J4.b28 | length 0.9
  Bottom Layer w0.1: J4.b28@72.695,24.984 v2(73.33,24.349)
DP9_C2M_N: J4.b25 | length 0.9
  Bottom Layer w0.1: J4.b25@72.695,28.794 v2(73.33,28.159)
DP9_C2M_P: J4.b24 | length 0.9
  Bottom Layer w0.1: J4.b24@72.695,30.064 v2(73.33,29.429)
DP9_M2C_N: J4.b5 | length 0.9
  Bottom Layer w0.1: J4.b5@72.695,54.194 v1(73.33,54.829)
DP9_M2C_P: J4.b4 | length 0.9
  Bottom Layer w0.1: J4.b4@72.695,55.464 v1(73.33,56.099)
GA0: IC15.2 J4.c34 | length 16.3
  Top Layer w0.1: v1(71.685,3.674) 71.715,3.644 IC15.2@73.82,3.644
  SIGNAL2 w0.1: v1@71.585,3.674 71.585,16.253 v1(72.061,16.729)
  Bottom Layer w0.3: J4.c34@71.425,17.364 72.06,16.729 v1(72.061,16.729)
GA1: IC15.1 J4.d35 | length 16.1
  Top Layer w0.1: v1(71.285,2.974) 71.305,2.994 IC15.1@73.82,2.994
  SIGNAL2 w0.1: v1(70.79,15.459) 71.239,15.01 71.239,3.02 v1(71.285,2.974)
  Bottom Layer w0.3: J4.d35@70.155,16.094 v1(70.79,15.459)
GBTCLK0_M2C_N: C169.2 J4.d5 | length 87.4
  Top Layer w0.1: C169.2@19.42,10.769 19.16,10.509 19.078,10.509 19.02,10.451 19.02,10.263 ccw(c19.408,10.263) 19.408,9.874 20.17,9.874 ccw(c20.17,10.218) 20.514,10.218 cw(c21.533,10.218) 21.533,11.237 25.285,11.237 ccw(c25.285,13.561) 26.928,11.918 27.885,12.874 29.385,14.374 ccw(c27.763,15.997) 30.057,15.997 30.057,16.925 cw(c31.641,16.925) 31.641,18.509 50.785,18.509 ccw(c50.785,21.049) 52.581,19.253 55.293,21.966 ccw(c53.624,23.635) 55.985,23.635 55.985,43.822 cw(c58.725,43.822) 56.787,45.76 61.268,50.241 cw(c61.825,49.684) 61.825,50.471 61.922,50.471 ccw(c61.922,50.83) 62.176,50.576 ccw(c61.671,51.081) 62.385,51.081 62.385,51.301 cw(c62.762,51.301) 62.495,51.567 62.554,51.626 cw(c62.962,51.218) 62.962,51.795 66.885,51.795 ccw(c66.885,52.395) 67.485,52.395 67.485,53.374 cw(c68.285,53.374) 68.285,54.174 69.687,54.174 ccw(c69.687,54.573) 70.085,54.573 70.085,54.771 70.026,54.829 v1(69.52,54.829)
  Bottom Layer w0.1: v1(69.52,54.829) J4.d5@70.155,54.194
GBTCLK0_M2C_P: C168.2 J4.d4 | length 88.1
  Top Layer w0.1: C168.2@18.42,10.769 18.68,10.509 18.761,10.509 18.82,10.451 18.82,10.256 ccw(c19.402,10.256) 19.402,9.674 20.253,9.674 ccw(c20.253,10.135) 20.714,10.135 20.714,10.218 cw(c21.533,10.218) 21.533,11.037 25.285,11.037 ccw(c25.285,13.561) 27.07,11.776 27.968,12.674 29.526,14.233 ccw(c27.763,15.997) 30.257,15.997 30.257,16.925 cw(c31.641,16.925) 31.641,18.309 50.785,18.309 ccw(c50.785,21.049) 52.722,19.111 ; v1(70.79,54.829) 70.343,54.829 70.285,54.771 70.285,54.49 cw(c69.769,54.49) 69.769,53.974 68.285,53.974 ccw(c68.285,53.374) 67.685,53.374 67.685,52.395 cw(c66.885,52.395) 66.885,51.595 62.962,51.595 ccw(c62.962,51.218) 62.695,51.485 ccw(c62.962,51.218) 62.585,51.218 62.585,50.998 cw(c61.871,50.998) 62.376,50.493 62.317,50.435 cw(c61.922,50.83) 61.922,50.271 61.907,50.271 ccw(c61.907,49.484) 61.351,50.041 56.929,45.618 ccw(c58.725,43.822) 56.185,43.822 56.185,23.635 cw(c53.624,23.635) 55.435,21.824 52.776,19.166 ; 52.722,19.111 52.776,19.166 ; 52.722,19.111 52.776,19.166
  Bottom Layer w0.1: J4.d4@70.155,55.464 v1(70.79,54.829)
GBTCLK1_M2C_N: J4.b21 | length 0.9
  Bottom Layer w0.1: J4.b21@72.695,33.874 v2(73.33,33.239)
GBTCLK1_M2C_P: J4.b20 | length 0.9
  Bottom Layer w0.1: J4.b20@72.695,35.144 v2(73.33,35.779)